# Allegro board 6089-119-RevB_08.brd (continued)
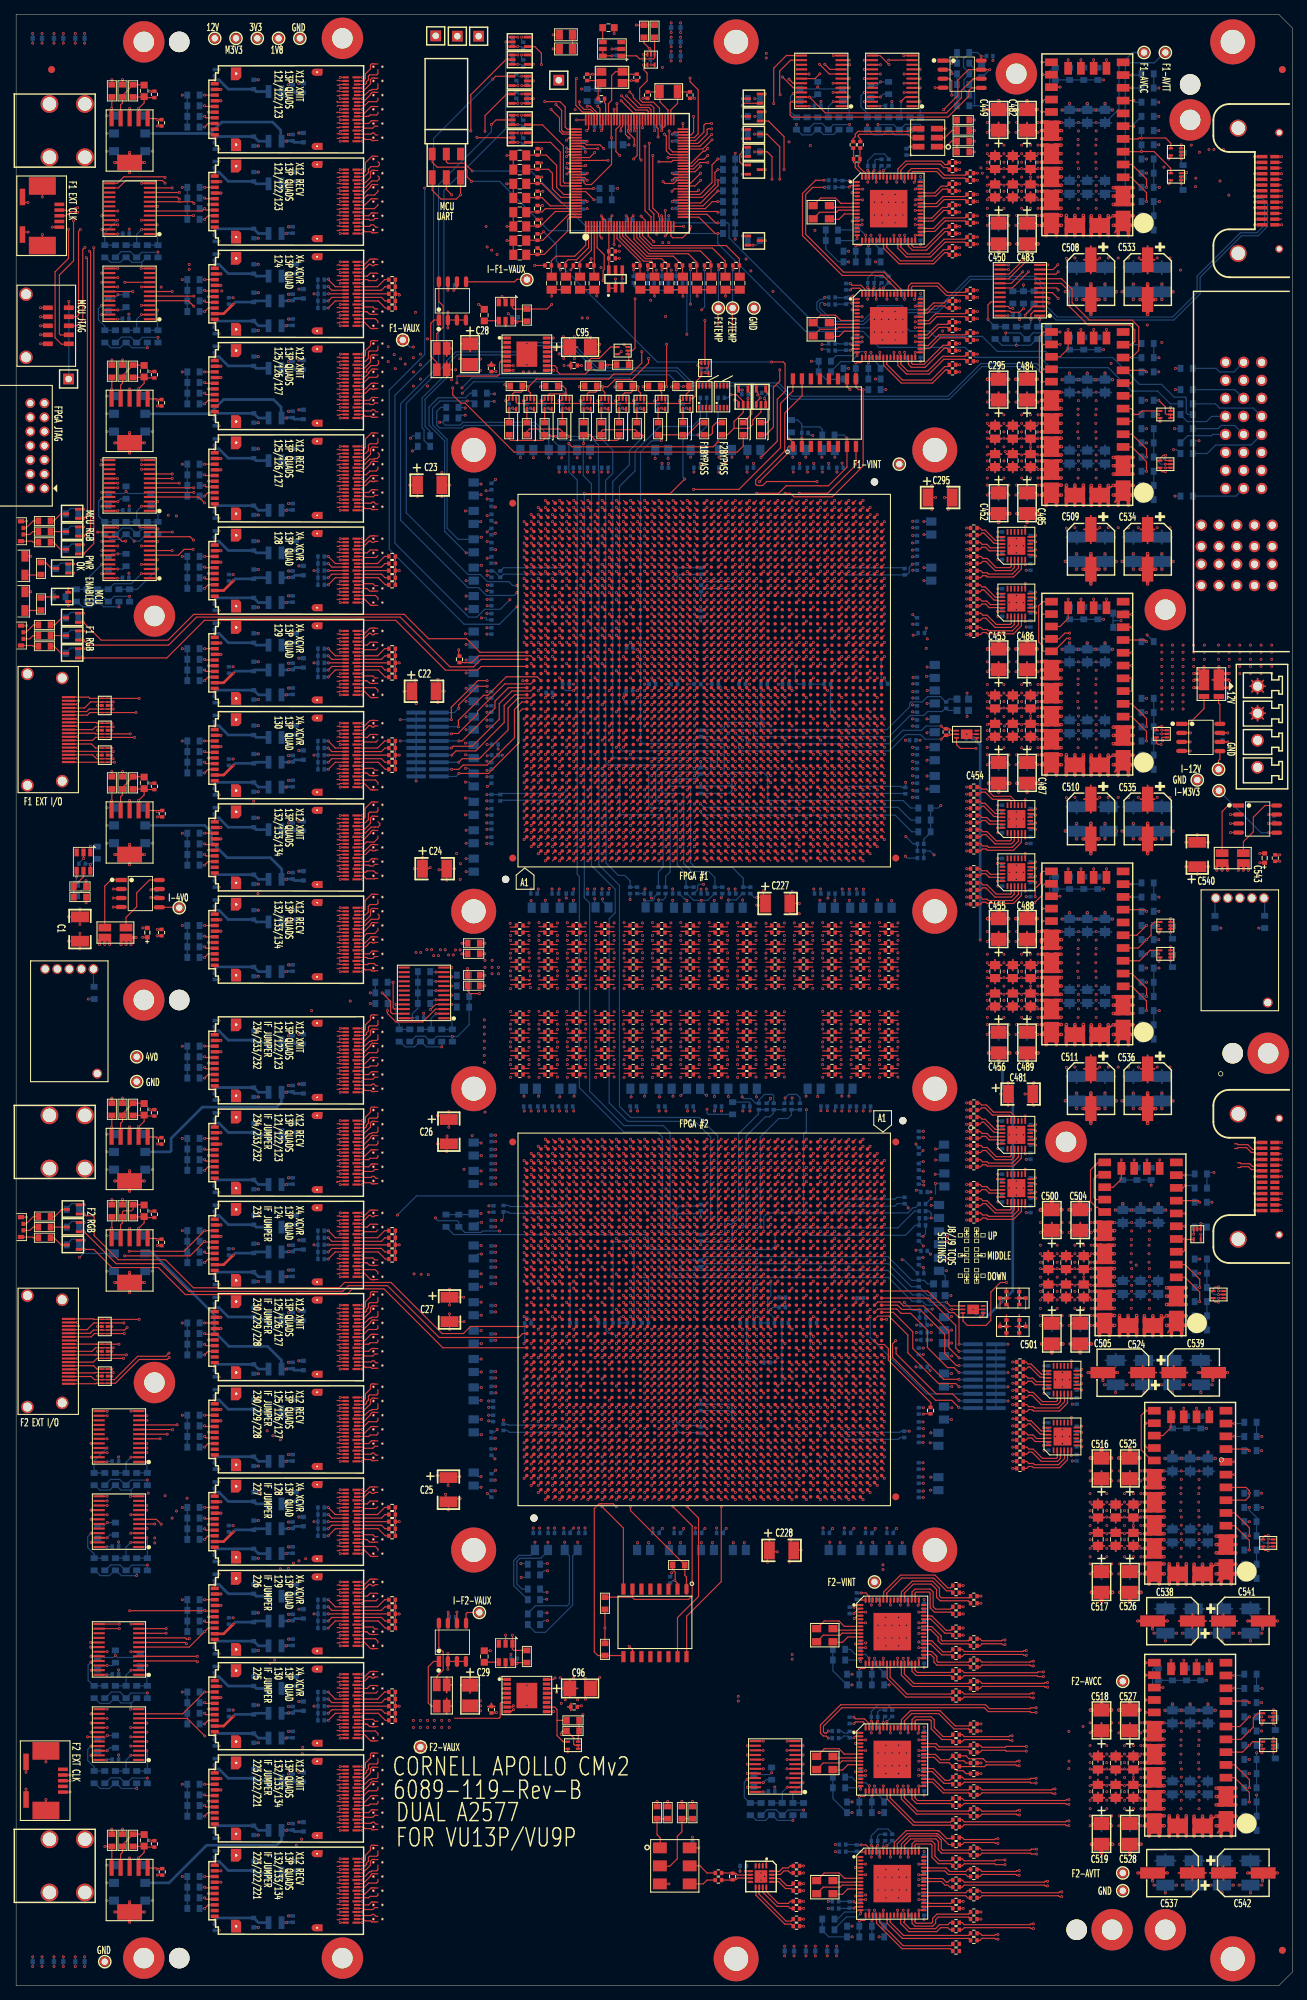
[diagram p0: board, top side]
## Routing (per net, layer and track width the routed paths; a pad name or vN(x,y) marks a point on that pad's centre or on a via; arc(x,y) is an arc through that point) (continued)
  GND5 w0.254: VA104.4 52.05,9.59 ; VA104.4 51.63,9.78 ; VA104.4 52.02,9.4 ; VA104.4 51.63,9.02 ; VA104.4 51.96,9.72 ; VA104.4 52.05,9.21 ; VA104.4 51.96,9.08 ; VA104.4 51.82,9.81 ; VA66.3 50.37,107.28 ; VA66.3 50.18,106.49 ; VA66.3 50.04,107.22 ; VA66.3 49.95,106.71 ; VA66.3 50.04,106.58 ; VA66.3 49.98,106.9 ; VA66.3 50.37,106.52 ; VA66.3 49.95,107.09 ; 50.37,28.02 VA95.3 ; VA95.3 50.04,28.08 ; VA95.3 49.95,28.59 ; VA95.3 50.04,28.72 ; VA95.3 50.37,28.78 ; VA95.3 49.95,28.21 ; VA95.3 50.18,27.99 ; VA95.3 49.98,28.4 ; 50.18,240.49 VA14.3 ; VA14.3 50.04,240.58 ; VA14.3 50.04,241.22 ; VA14.3 49.95,240.71 ; VA14.3 50.37,240.52 ; VA14.3 49.95,241.09 ; VA14.3 50.37,241.28 ; VA14.3 49.98,240.9 ; 51.63,235.52 VA15.3 ; VA15.3 51.82,236.31 ; VA15.3 51.63,236.28 ; VA15.3 52.02,235.9 ; VA15.3 52.05,236.09 ; VA15.3 51.96,235.58 ; VA15.3 52.05,235.71 ; VA15.3 51.96,236.22 ; 49.98,22.4 VA98.3 ; VA98.3 49.95,22.59 ; VA98.3 50.04,22.72 ; VA98.3 50.18,21.99 ; VA98.3 50.04,22.08 ; VA98.3 49.95,22.21 ; VA98.3 50.37,22.78 ; VA98.3 50.37,22.02 ; VA102.4 52.05,13.59 ; VA102.4 51.96,13.72 ; VA102.4 52.02,13.4 ; VA102.4 51.82,13.81 ; VA102.4 52.05,13.21 ; VA102.4 51.63,13.02 ; VA102.4 51.96,13.08 ; VA102.4 51.63,13.78 ; 50.04,266.72 VA3.3 ; VA3.3 50.37,266.02 ; VA3.3 49.95,266.21 ; VA3.3 49.98,266.4 ; VA3.3 50.04,266.08 ; VA3.3 50.37,266.78 ; VA3.3 50.18,265.99 ; VA3.3 49.95,266.59 ; VA83.4 50.37,63.28 ; VA83.4 50.18,62.49 ; VA83.4 49.95,62.71 ; VA83.4 50.04,62.58 ; VA83.4 50.37,62.52 ; VA83.4 50.04,63.22 ; VA83.4 49.98,62.9 ; VA83.4 49.95,63.09 ; 50.04,84.08 VA75.3 ; VA75.3 49.98,84.4 ; VA75.3 50.37,84.02 ; VA75.3 49.95,84.21 ; VA75.3 49.95,84.59 ; VA75.3 50.04,84.72 ; VA75.3 50.18,83.99 ; VA75.3 50.37,84.78 ; 50.04,190.58 VA33.3 ; VA33.3 50.18,190.49 ; VA33.3 49.95,190.71 ; VA33.3 49.98,190.9 ; VA33.3 49.95,191.09 ; VA33.3 50.04,191.22 ; VA33.3 50.37,190.52 ; VA33.3 50.37,191.28 ; VA56.4 51.82,130.81 ; VA56.4 51.63,130.78 ; VA56.4 51.63,130.02 ; VA56.4 52.05,130.21 ; VA56.4 51.96,130.72 ; VA56.4 52.02,130.4 ; VA56.4 51.96,130.08 ; VA56.4 52.05,130.59 ; J6.23 2.66,97.25 ; J6.23 2.64,97.7 ; J6.23 2.4,96.44 ; J6.23 2.05,98.29 ; J6.23 1.6,98.32 ; J6.23 2.4,98.05 ; J6.23 1.15,96.2 ; J6.23 1.6,96.18 ; VA96.4 52.02,26.4 ; VA96.4 52.05,26.59 ; VA96.4 52.05,26.21 ; VA96.4 51.63,26.78 ; VA96.4 51.96,26.08 ; VA96.4 51.82,26.81 ; VA96.4 51.63,26.02 ; VA96.4 51.96,26.72 ; VA23.3 50.37,218.78 ; VA23.3 49.98,218.4 ; VA23.3 50.37,218.02 ; VA23.3 49.95,218.59 ; VA23.3 50.04,218.08 ; VA23.3 50.18,217.99 ; VA23.3 50.04,218.72 ; VA23.3 49.95,218.21 ; 51.63,223.02 VA21.4 ; VA21.4 51.96,223.72 ; VA21.4 51.82,223.81 ; VA21.4 52.05,223.59 ; VA21.4 52.02,223.4 ; VA21.4 52.05,223.21 ; VA21.4 51.96,223.08 ; VA21.4 51.63,223.78 ; 49.98,158.4 VA45.3 ; VA45.3 50.04,158.08 ; VA45.3 49.95,158.21 ; VA45.3 50.37,158.02 ; VA45.3 49.95,158.59 ; VA45.3 50.04,158.72 ; VA45.3 50.37,158.78 ; VA45.3 50.18,157.99 ; VA37.4 52.05,178.09 ; VA37.4 51.82,178.31 ; VA37.4 51.96,177.58 ; VA37.4 51.63,177.52 ; VA37.4 52.05,177.71 ; VA37.4 51.63,178.28 ; VA37.4 51.96,178.22 ; VA37.4 52.02,177.9 ; 50.04,41.58 VA90.3 ; VA90.3 50.37,41.52 ; VA90.3 50.18,41.49 ; VA90.3 49.95,41.71 ; VA90.3 50.37,42.28 ; VA90.3 50.04,42.22 ; VA90.3 49.98,41.9 ; VA90.3 49.95,42.09 ; VA40.3 52.02,168.9 ; VA40.3 52.05,168.71 ; VA40.3 51.96,169.22 ; VA40.3 52.05,169.09 ; VA40.3 51.96,168.58 ; VA40.3 51.63,168.52 ; VA40.3 51.82,169.31 ; VA40.3 51.63,169.28 ; VA85.4 52.02,56.9 ; VA85.4 52.05,56.71 ; VA85.4 51.96,57.22 ; VA85.4 52.05,57.09 ; VA85.4 51.82,57.31 ; VA85.4 51.63,56.52 ; VA85.4 51.63,57.28 ; VA85.4 51.96,56.58 ; 49.98,166.4 VA41.3 ; VA41.3 49.95,166.59 ; VA41.3 49.95,166.21 ; VA41.3 50.04,166.08 ; VA41.3 50.04,166.72 ; VA41.3 50.18,165.99 ; VA41.3 50.37,166.02 ; VA41.3 50.37,166.78 ; VA60.4 51.82,121.81 ; VA60.4 51.96,121.08 ; VA60.4 52.05,121.59 ; VA60.4 52.05,121.21 ; VA60.4 52.02,121.4 ; VA60.4 51.63,121.78 ; VA60.4 51.96,121.72 ; VA60.4 51.63,121.02 ; 50.37,54.52 VA86.3 ; VA86.3 49.98,54.9 ; VA86.3 49.95,54.71 ; VA86.3 49.95,55.09 ; VA86.3 50.18,54.49 ; VA86.3 50.37,55.28 ; VA86.3 50.04,54.58 ; VA86.3 50.04,55.22 ; 50.04,249.72 VA11.3 ; VA11.3 50.04,249.08 ; VA11.3 49.95,249.21 ; VA11.3 49.98,249.4 ; VA11.3 49.95,249.59 ; VA11.3 50.18,248.99 ; VA11.3 50.37,249.78 ; VA11.3 50.37,249.02 ; 50.18,25.99 VA96.3 ; VA96.3 49.98,26.4 ; VA96.3 50.37,26.78 ; VA96.3 50.04,26.08 ; VA96.3 49.95,26.21 ; VA96.3 49.95,26.59 ; VA96.3 50.37,26.02 ; VA96.3 50.04,26.72 ; VA63.4 51.96,115.72 ; VA63.4 52.05,115.21 ; VA63.4 51.63,115.02 ; VA63.4 51.96,115.08 ; VA63.4 51.63,115.78 ; VA63.4 52.05,115.59 ; VA63.4 52.02,115.4 ; VA63.4 51.82,115.81 ; VA81.4 51.82,70.31 ; VA81.4 52.05,69.71 ; VA81.4 51.96,70.22 ; VA81.4 52.05,70.09 ; VA81.4 51.96,69.58 ; VA81.4 51.63,69.52 ; VA81.4 52.02,69.9 ; VA81.4 51.63,70.28 ; VA48.4 52.05,151.59 ; VA48.4 51.63,151.78 ; VA48.4 51.96,151.72 ; VA48.4 52.05,151.21 ; VA48.4 52.02,151.4 ; VA48.4 51.82,151.81 ; VA48.4 51.63,151.02 ; VA48.4 51.96,151.08 ; VA59.4 51.63,123.78 ; VA59.4 51.96,123.08 ; VA59.4 51.82,123.81 ; VA59.4 52.02,123.4 ; VA59.4 52.05,123.59 ; VA59.4 51.96,123.72 ; VA59.4 52.05,123.21 ; VA59.4 51.63,123.02 ; VA99.4 51.63,19.78 ; VA99.4 52.05,19.21 ; VA99.4 52.05,19.59 ; VA99.4 51.96,19.72 ; VA99.4 51.96,19.08 ; VA99.4 51.63,19.02 ; VA99.4 52.02,19.4 ; VA99.4 51.82,19.81 ; 50.18,177.49 VA37.3 ; VA37.3 49.95,177.71 ; VA37.3 50.37,177.52 ; VA37.3 50.37,178.28 ; VA37.3 50.04,177.58 ; VA37.3 49.98,177.9 ; VA37.3 49.95,178.09 ; VA37.3 50.04,178.22 ; VA5.4 52.05,262.21 ; VA5.4 51.63,262.78 ; VA5.4 52.05,262.59 ; VA5.4 51.82,262.81 ; VA5.4 51.96,262.08 ; VA5.4 52.02,262.4 ; VA5.4 51.63,262.02 ; VA5.4 51.96,262.72 ; J5.20 2.4,168.35 ; J5.20 2.66,169.15 ; J5.20 1.15,168.11 ; J5.20 2.64,169.6 ; J5.20 1.6,170.22 ; J5.20 2.05,170.2 ; J5.20 2.4,169.96 ; J5.20 1.6,168.08 ; VA13.4 51.63,243.28 ; VA13.4 52.02,242.9 ; VA13.4 52.05,243.09 ; VA13.4 51.96,243.22 ; VA13.4 51.96,242.58 ; VA13.4 51.82,243.31 ; VA13.4 51.63,242.52 ; VA13.4 52.05,242.71 ; VA4.4 52.05,264.59 ; VA4.4 51.63,264.02 ; VA4.4 51.96,264.08 ; VA4.4 51.63,264.78 ; VA4.4 52.05,264.21 ; VA4.4 52.02,264.4 ; VA4.4 51.82,264.81 ; VA4.4 51.96,264.72 ; 50.18,261.99 VA5.3 ; VA5.3 49.98,262.4 ; VA5.3 50.37,262.02 ; VA5.3 50.04,262.72 ; VA5.3 50.04,262.08 ; VA5.3 50.37,262.78 ; VA5.3 49.95,262.21 ; VA5.3 49.95,262.59 ; 49.95,168.71 VA40.4 ; VA40.4 50.18,168.49 ; VA40.4 50.37,169.28 ; VA40.4 50.37,168.52 ; VA40.4 50.04,169.22 ; VA40.4 50.04,168.58 ; VA40.4 49.95,169.09 ; VA40.4 49.98,168.9 ; VA90.4 52.05,41.71 ; VA90.4 51.63,41.52 ; VA90.4 52.05,42.09 ; VA90.4 51.82,42.31 ; VA90.4 52.02,41.9 ; VA90.4 51.96,41.58 ; VA90.4 51.96,42.22 ; VA90.4 51.63,42.28 ; 50.18,125.99 VA58.3 ; VA58.3 50.04,126.72 ; VA58.3 49.95,126.59 ; VA58.3 50.37,126.78 ; VA58.3 50.37,126.02 ; VA58.3 49.95,126.21 ; VA58.3 50.04,126.08 ; VA58.3 49.98,126.4 ; VA98.4 51.63,22.78 ; VA98.4 51.82,22.81 ; VA98.4 51.96,22.72 ; VA98.4 52.02,22.4 ; VA98.4 51.96,22.08 ; VA98.4 52.05,22.21 ; VA98.4 52.05,22.59 ; VA98.4 51.63,22.02 ; 49.95,214.59 VA25.3 ; VA25.3 50.04,214.08 ; VA25.3 50.18,213.99 ; VA25.3 49.98,214.4 ; VA25.3 50.37,214.78 ; VA25.3 50.04,214.72 ; VA25.3 49.95,214.21 ; VA25.3 50.37,214.02 ; VA95.4 52.05,28.59 ; VA95.4 51.96,28.08 ; VA95.4 51.63,28.02 ; VA95.4 52.02,28.4 ; VA95.4 52.05,28.21 ; VA95.4 51.63,28.78 ; VA95.4 51.82,28.81 ; VA95.4 51.96,28.72 ; VA26.4 52.05,212.21 ; VA26.4 51.63,212.78 ; VA26.4 51.82,212.81 ; VA26.4 52.05,212.59 ; VA26.4 51.63,212.02 ; VA26.4 51.96,212.72 ; VA26.4 51.96,212.08 ; VA26.4 52.02,212.4 ; 50.04,247.72 VA12.3 ; VA12.3 49.98,247.4 ; VA12.3 50.37,247.02 ; VA12.3 49.95,247.21 ; VA12.3 50.18,246.99 ; VA12.3 50.04,247.08 ; VA12.3 49.95,247.59 ; VA12.3 50.37,247.78 ; 50.04,268.08 VA2.3 ; VA2.3 50.04,268.72 ; VA2.3 49.98,268.4 ; VA2.3 50.37,268.02 ; VA2.3 49.95,268.21 ; VA2.3 49.95,268.59 ; VA2.3 50.18,267.99 ; VA2.3 50.37,268.78 ; 49.95,101.71 VA67.4 ; VA67.4 50.37,101.52 ; VA67.4 49.98,101.9 ; VA67.4 50.04,101.58 ; VA67.4 50.04,102.22 ; VA67.4 50.18,101.49 ; VA67.4 50.37,102.28 ; VA67.4 49.95,102.09 ; 156,12.52 PM21.1 ; PM21.1 156.88,13.4 ; PM21.1 155.12,13.4 ; PM21.1 156.67,14.07 ; PM21.1 156.67,12.73 ; PM21.1 155.33,12.73 ; PM21.1 155.33,14.07 ; PM21.1 156,14.28 ; VA58.4 52.05,126.59 ; VA58.4 51.96,126.72 ; VA58.4 52.05,126.21 ; VA58.4 51.63,126.78 ; VA58.4 52.02,126.4 ; VA58.4 51.96,126.08 ; VA58.4 51.63,126.02 ; VA58.4 51.82,126.81 ; VA31.3 51.63,197.28 ; VA31.3 52.05,197.09 ; VA31.3 51.96,197.22 ; VA31.3 51.63,196.52 ; VA31.3 51.96,196.58 ; VA31.3 52.05,196.71 ; VA31.3 52.02,196.9 ; VA31.3 51.82,197.31 ; VA60.3 50.37,121.78 ; VA60.3 50.04,121.08 ; VA60.3 50.04,121.72 ; VA60.3 49.98,121.4 ; VA60.3 49.95,121.21 ; VA60.3 49.95,121.59 ; VA60.3 50.37,121.02 ; VA60.3 50.18,120.99 ; 49.95,195.09 VA32.4 ; VA32.4 50.04,195.22 ; VA32.4 50.37,195.28 ; VA32.4 50.18,194.49 ; VA32.4 49.95,194.71 ; VA32.4 50.04,194.58 ; VA32.4 49.98,194.9 ; VA32.4 50.37,194.52 ; 50.18,122.99 VA59.3 ; VA59.3 50.04,123.72 ; VA59.3 49.98,123.4 ; VA59.3 49.95,123.59 ; VA59.3 49.95,123.21 ; VA59.3 50.37,123.78 ; VA59.3 50.37,123.02 ; VA59.3 50.04,123.08 ; VA6.4 51.96,260.08 ; VA6.4 52.05,260.59 ; VA6.4 51.96,260.72 ; VA6.4 51.63,260.78 ; VA6.4 51.63,260.02 ; VA6.4 51.82,260.81 ; VA6.4 52.05,260.21 ; VA6.4 52.02,260.4 ; VA73.4 51.82,89.81 ; VA73.4 51.63,89.02 ; VA73.4 51.96,89.08 ; VA73.4 52.02,89.4 ; VA73.4 52.05,89.21 ; VA73.4 51.96,89.72 ; VA73.4 52.05,89.59 ; VA73.4 51.63,89.78 ; 50.04,36.58 VA91.4 ; VA91.4 49.95,37.09 ; VA91.4 50.04,37.22 ; VA91.4 49.98,36.9 ; VA91.4 50.37,36.52 ; VA91.4 49.95,36.71 ; VA91.4 50.37,37.28 ; VA91.4 50.18,36.49 ; 50.04,32.08 VA93.3 ; VA93.3 50.37,32.78 ; VA93.3 49.95,32.59 ; VA93.3 50.37,32.02 ; VA93.3 50.04,32.72 ; VA93.3 50.18,31.99 ; VA93.3 49.98,32.4 ; VA93.3 49.95,32.21 ; VA32.3 51.96,194.58 ; VA32.3 51.96,195.22 ; VA32.3 52.05,194.71 ; VA32.3 52.05,195.09 ; VA32.3 52.02,194.9 ; VA32.3 51.82,195.31 ; VA32.3 51.63,195.28 ; VA32.3 51.63,194.52 ; VA24.4 52.05,216.21 ; VA24.4 52.05,216.59 ; VA24.4 52.02,216.4 ; VA24.4 51.82,216.81 ; VA24.4 51.63,216.78 ; VA24.4 51.96,216.08 ; VA24.4 51.96,216.72 ; VA24.4 51.63,216.02 ; VA70.4 52.05,95.21 ; VA70.4 51.96,95.72 ; VA70.4 52.05,95.59 ; VA70.4 51.63,95.78 ; VA70.4 51.96,95.08 ; VA70.4 51.82,95.81 ; VA70.4 52.02,95.4 ; VA70.4 51.63,95.02 ; 50.04,17.72 VA100.3 ; VA100.3 50.37,17.02 ; VA100.3 49.95,17.21 ; VA100.3 50.18,16.99 ; VA100.3 50.37,17.78 ; VA100.3 49.98,17.4 ; VA100.3 50.04,17.08 ; VA100.3 49.95,17.59 ; VA97.4 51.96,24.72 ; VA97.4 52.05,24.59 ; VA97.4 51.63,24.78 ; VA97.4 51.82,24.81 ; VA97.4 52.05,24.21 ; VA97.4 51.63,24.02 ; VA97.4 52.02,24.4 ; VA97.4 51.96,24.08 ; 49.95,183.71 VA35.4 ; VA35.4 50.37,183.52 ; VA35.4 49.95,184.09 ; VA35.4 50.04,183.58 ; VA35.4 50.37,184.28 ; VA35.4 49.98,183.9 ; VA35.4 50.04,184.22 ; VA35.4 50.18,183.49 ; 50.37,251.02 VA10.3 ; VA10.3 50.04,251.72 ; VA10.3 50.37,251.78 ; VA10.3 49.95,251.59 ; VA10.3 49.95,251.21 ; VA10.3 49.98,251.4 ; VA10.3 50.18,250.99 ; VA10.3 50.04,251.08 ; VA75.4 52.05,84.21 ; VA75.4 52.05,84.59 ; VA75.4 51.96,84.72 ; VA75.4 51.63,84.02 ; VA75.4 51.96,84.08 ; VA75.4 51.82,84.81 ; VA75.4 52.02,84.4 ; VA75.4 51.63,84.78 ; 5.43,169.74 J5.21 ; J5.21 6.5,170.8 ; J5.21 5.69,170.54 ; J5.21 7.31,168.93 ; J5.21 7.31,170.54 ; J5.21 5.69,168.93 ; J5.21 7.57,169.74 ; J5.21 6.5,168.67 ; VA89.3 50.37,44.28 ; VA89.3 50.37,43.52 ; VA89.3 50.04,43.58 ; VA89.3 49.95,44.09 ; VA89.3 49.95,43.71 ; VA89.3 49.98,43.9 ; VA89.3 50.18,43.49 ; VA89.3 50.04,44.22 ; VA33.4 52.05,191.09 ; VA33.4 52.05,190.71 ; VA33.4 52.02,190.9 ; VA33.4 51.63,190.52 ; VA33.4 51.82,191.31 ; VA33.4 51.96,190.58 ; VA33.4 51.63,191.28 ; VA33.4 51.96,191.22 ; VA69.4 52.05,97.59 ; VA69.4 51.82,97.81 ; VA69.4 51.63,97.02 ; VA69.4 52.05,97.21 ; VA69.4 51.63,97.78 ; VA69.4 51.96,97.72 ; VA69.4 52.02,97.4 ; VA69.4 51.96,97.08 ; 49.95,132.21 VA55.3 ; VA55.3 50.04,132.72 ; VA55.3 50.37,132.78 ; VA55.3 50.37,132.02 ; VA55.3 49.98,132.4 ; VA55.3 49.95,132.59 ; VA55.3 50.04,132.08 ; VA55.3 50.18,131.99 ; VA29.4 52.05,204.09 ; VA29.4 51.63,203.52 ; VA29.4 51.96,204.22 ; VA29.4 52.05,203.71 ; VA29.4 51.96,203.58 ; VA29.4 51.63,204.28 ; VA29.4 51.82,204.31 ; VA29.4 52.02,203.9 ; VA27.4 52.05,210.21 ; VA27.4 51.63,210.02 ; VA27.4 51.96,210.08 ; VA27.4 51.82,210.81 ; VA27.4 52.02,210.4 ; VA27.4 52.05,210.59 ; VA27.4 51.96,210.72 ; VA27.4 51.63,210.78 ; VA46.4 52.05,156.21 ; VA46.4 52.02,156.4 ; VA46.4 52.05,156.59 ; VA46.4 51.96,156.08 ; VA46.4 51.96,156.72 ; VA46.4 51.63,156.78 ; VA46.4 51.82,156.81 ; VA46.4 51.63,156.02 ; VA12.4 51.96,247.08 ; VA12.4 51.82,247.81 ; VA12.4 51.63,247.78 ; VA12.4 51.63,247.02 ; VA12.4 52.05,247.21 ; VA12.4 51.96,247.72 ; VA12.4 52.05,247.59 ; VA12.4 52.02,247.4 ; VA9.4 52.02,253.4 ; VA9.4 52.05,253.21 ; VA9.4 51.96,253.72 ; VA9.4 52.05,253.59 ; VA9.4 51.96,253.08 ; VA9.4 51.63,253.78 ; VA9.4 51.63,253.02 ; VA9.4 51.82,253.81 ; VA87.3 51.96,49.58 ; VA87.3 51.63,50.28 ; VA87.3 51.82,50.31 ; VA87.3 52.02,49.9 ; VA87.3 51.63,49.52 ; VA87.3 52.05,50.09 ; VA87.3 51.96,50.22 ; VA87.3 52.05,49.71 ; VA10.4 52.02,251.4 ; VA10.4 51.96,251.08 ; VA10.4 52.05,251.21 ; VA10.4 52.05,251.59 ; VA10.4 51.82,251.81 ; VA10.4 51.96,251.72 ; VA10.4 51.63,251.02 ; VA10.4 51.63,251.78 ; 49.98,91.4 VA72.3 ; VA72.3 50.37,91.02 ; VA72.3 49.95,91.21 ; VA72.3 49.95,91.59 ; VA72.3 50.37,91.78 ; VA72.3 50.04,91.08 ; VA72.3 50.18,90.99 ; VA72.3 50.04,91.72 ; 50.04,153.72 VA47.3 ; VA47.3 49.95,153.59 ; VA47.3 50.18,152.99 ; VA47.3 50.37,153.78 ; VA47.3 50.37,153.02 ; VA47.3 49.95,153.21 ; VA47.3 49.98,153.4 ; VA47.3 50.04,153.08 ; 50.18,263.99 VA4.3 ; VA4.3 50.04,264.72 ; VA4.3 50.37,264.78 ; VA4.3 49.98,264.4 ; VA4.3 49.95,264.59 ; VA4.3 50.04,264.08 ; VA4.3 49.95,264.21 ; VA4.3 50.37,264.02 ; 49.98,13.4 VA102.3 ; VA102.3 50.04,13.08 ; VA102.3 50.37,13.78 ; VA102.3 50.18,12.99 ; VA102.3 49.95,13.59 ; VA102.3 50.04,13.72 ; VA102.3 49.95,13.21 ; VA102.3 50.37,13.02 ; 49.95,97.59 VA69.3 ; VA69.3 50.37,97.78 ; VA69.3 50.18,96.99 ; VA69.3 50.04,97.72 ; VA69.3 50.04,97.08 ; VA69.3 50.37,97.02 ; VA69.3 49.98,97.4 ; VA69.3 49.95,97.21 ; VA61.4 52.05,119.21 ; VA61.4 51.82,119.81 ; VA61.4 52.05,119.59 ; VA61.4 52.02,119.4 ; VA61.4 51.96,119.72 ; VA61.4 51.63,119.02 ; VA61.4 51.96,119.08 ; VA61.4 51.63,119.78 ; 49.95,203.71 VA29.3 ; VA29.3 49.98,203.9 ; VA29.3 50.04,203.58 ; VA29.3 49.95,204.09 ; VA29.3 50.37,204.28 ; VA29.3 50.37,203.52 ; VA29.3 50.04,204.22 ; VA29.3 50.18,203.49 ; VA67.3 51.63,102.28 ; VA67.3 52.05,102.09 ; VA67.3 51.96,102.22 ; VA67.3 52.02,101.9 ; VA67.3 51.82,102.31 ; VA67.3 51.96,101.58 ; VA67.3 52.05,101.71 ; VA67.3 51.63,101.52 ; 51.63,229.02 VA18.4 ; VA18.4 51.96,229.72 ; VA18.4 51.96,229.08 ; VA18.4 52.05,229.21 ; VA18.4 52.02,229.4 ; VA18.4 52.05,229.59 ; VA18.4 51.82,229.81 ; VA18.4 51.63,229.78 ; 50.37,108.52 VA65.3 ; VA65.3 50.04,108.58 ; VA65.3 50.18,108.49 ; VA65.3 50.37,109.28 ; VA65.3 49.95,109.09 ; VA65.3 50.04,109.22 ; VA65.3 49.98,108.9 ; VA65.3 49.95,108.71 ; VA62.4 51.96,117.08 ; VA62.4 51.96,117.72 ; VA62.4 51.63,117.78 ; VA62.4 52.05,117.21 ; VA62.4 51.82,117.81 ; VA62.4 51.63,117.02 ; VA62.4 52.02,117.4 ; VA62.4 52.05,117.59 ; 50.37,233.52 VA16.4 ; VA16.4 50.18,233.49 ; VA16.4 49.95,234.09 ; VA16.4 50.04,234.22 ; VA16.4 49.95,233.71 ; VA16.4 50.37,234.28 ; VA16.4 49.98,233.9 ; VA16.4 50.04,233.58 ; 50.37,149.02 VA49.3 ; VA49.3 49.98,149.4 ; VA49.3 50.18,148.99 ; VA49.3 49.95,149.59 ; VA49.3 50.04,149.72 ; VA49.3 49.95,149.21 ; VA49.3 50.37,149.78 ; VA49.3 50.04,149.08 ; VA50.4 52.05,147.21 ; VA50.4 51.63,147.02 ; VA50.4 52.05,147.59 ; VA50.4 52.02,147.4 ; VA50.4 51.63,147.78 ; VA50.4 51.96,147.08 ; VA50.4 51.82,147.81 ; VA50.4 51.96,147.72 ; 50.04,182.22 VA36.4 ; VA36.4 49.98,181.9 ; VA36.4 50.04,181.58 ; VA36.4 50.37,181.52 ; VA36.4 49.95,182.09 ; VA36.4 50.18,181.49 ; VA36.4 49.95,181.71 ; VA36.4 50.37,182.28 ; VA100.4 51.96,17.08 ; VA100.4 51.63,17.02 ; VA100.4 52.02,17.4 ; VA100.4 51.82,17.81 ; VA100.4 52.05,17.59 ; VA100.4 51.63,17.78 ; VA100.4 52.05,17.21 ; VA100.4 51.96,17.72 ; VA66.4 51.96,107.22 ; VA66.4 51.63,107.28 ; VA66.4 51.96,106.58 ; VA66.4 52.05,106.71 ; VA66.4 51.82,107.31 ; VA66.4 52.02,106.9 ; VA66.4 51.63,106.52 ; VA66.4 52.05,107.09 ; 49.98,164.4 VA42.3 ; VA42.3 49.95,164.21 ; VA42.3 49.95,164.59 ; VA42.3 50.37,164.78 ; VA42.3 50.04,164.72 ; VA42.3 50.18,163.99 ; VA42.3 50.04,164.08 ; VA42.3 50.37,164.02 ; 49.95,100.09 VA68.4 ; VA68.4 50.04,100.22 ; VA68.4 50.18,99.49 ; VA68.4 49.98,99.9 ; VA68.4 50.37,99.52 ; VA68.4 50.37,100.28 ; VA68.4 50.04,99.58 ; VA68.4 49.95,99.71 ; 50.37,82.02 VA76.3 ; VA76.3 50.37,82.78 ; VA76.3 50.18,81.99 ; VA76.3 50.04,82.72 ; VA76.3 49.95,82.59 ; VA76.3 50.04,82.08 ; VA76.3 49.95,82.21 ; VA76.3 49.98,82.4 ; 49.98,119.4 VA61.3 ; VA61.3 50.04,119.08 ; VA61.3 50.37,119.78 ; VA61.3 49.95,119.21 ; VA61.3 50.37,119.02 ; VA61.3 50.04,119.72 ; VA61.3 49.95,119.59 ; VA61.3 50.18,118.99 ; 50.04,196.58 VA31.4 ; VA31.4 50.18,196.49 ; VA31.4 50.04,197.22 ; VA31.4 50.37,197.28 ; VA31.4 50.37,196.52 ; VA31.4 49.95,196.71 ; VA31.4 49.95,197.09 ; VA31.4 49.98,196.9 ; 49.95,162.59 VA43.3 ; VA43.3 50.18,161.99 ; VA43.3 49.95,162.21 ; VA43.3 49.98,162.4 ; VA43.3 50.04,162.72 ; VA43.3 50.37,162.78 ; VA43.3 50.04,162.08 ; VA43.3 50.37,162.02 ; 50.04,69.58 VA81.3 ; VA81.3 49.95,69.71 ; VA81.3 49.95,70.09 ; VA81.3 50.18,69.49 ; VA81.3 49.98,69.9 ; VA81.3 50.37,69.52 ; VA81.3 50.37,70.28 ; VA81.3 50.04,70.22 ; 50.18,228.99 VA18.3 ; VA18.3 50.04,229.72 ; VA18.3 50.04,229.08 ; VA18.3 49.98,229.4 ; VA18.3 50.37,229.78 ; VA18.3 49.95,229.59 ; VA18.3 50.37,229.02 ; VA18.3 49.95,229.21 ; 49.95,47.71 VA88.4 ; VA88.4 50.18,47.49 ; VA88.4 50.04,48.22 ; VA88.4 49.98,47.9 ; VA88.4 49.95,48.09 ; VA88.4 50.37,47.52 ; VA88.4 50.37,48.28 ; VA88.4 50.04,47.58 ; 50.04,30.08 VA94.3 ; VA94.3 49.95,30.59 ; VA94.3 50.18,29.99 ; VA94.3 49.95,30.21 ; VA94.3 50.37,30.02 ; VA94.3 50.04,30.72 ; VA94.3 49.98,30.4 ; VA94.3 50.37,30.78 ; VA17.4 51.82,231.81 ; VA17.4 52.05,231.59 ; VA17.4 52.02,231.4 ; VA17.4 52.05,231.21 ; VA17.4 51.63,231.02 ; VA17.4 51.63,231.78 ; VA17.4 51.96,231.08 ; VA17.4 51.96,231.72 ; VA44.4 52.05,160.21 ; VA44.4 52.02,160.4 ; VA44.4 51.96,160.08 ; VA44.4 51.63,160.78 ; VA44.4 52.05,160.59 ; VA44.4 51.63,160.02 ; VA44.4 51.96,160.72 ; VA44.4 51.82,160.81 ; VA64.4 51.96,113.72 ; VA64.4 51.63,113.02 ; VA64.4 52.05,113.59 ; VA64.4 52.02,113.4 ; VA64.4 52.05,113.21 ; VA64.4 51.63,113.78 ; VA64.4 51.82,113.81 ; VA64.4 51.96,113.08 ; 50.18,49.49 VA87.4 ; VA87.4 50.04,49.58 ; VA87.4 49.95,49.71 ; VA87.4 49.98,49.9 ; VA87.4 49.95,50.09 ; VA87.4 50.37,49.52 ; VA87.4 50.37,50.28 ; VA87.4 50.04,50.22 ; 50.04,188.58 VA34.3 ; VA34.3 50.37,188.52 ; VA34.3 49.95,189.09 ; VA34.3 50.04,189.22 ; VA34.3 49.98,188.9 ; VA34.3 50.18,188.49 ; VA34.3 50.37,189.28 ; VA34.3 49.95,188.71 ; VA103.3 50.37,11.78 ; VA103.3 49.98,11.4 ; VA103.3 49.95,11.21 ; VA103.3 49.95,11.59 ; VA103.3 50.37,11.02 ; VA103.3 50.18,10.99 ; VA103.3 50.04,11.72 ; VA103.3 50.04,11.08 ; 50.04,19.08 VA99.3 ; VA99.3 49.98,19.4 ; VA99.3 50.37,19.78 ; VA99.3 50.04,19.72 ; VA99.3 49.95,19.59 ; VA99.3 49.95,19.21 ; VA99.3 50.18,18.99 ; VA99.3 50.37,19.02 ; 49.95,68.09 VA82.3 ; VA82.3 49.98,67.9 ; VA82.3 50.37,68.28 ; VA82.3 50.04,67.58 ; VA82.3 49.95,67.71 ; VA82.3 50.18,67.49 ; VA82.3 50.04,68.22 ; VA82.3 50.37,67.52 ; 50.04,143.72 VA52.3 ; VA52.3 49.98,143.4 ; VA52.3 50.37,143.78 ; VA52.3 50.37,143.02 ; VA52.3 50.18,142.99 ; VA52.3 49.95,143.21 ; VA52.3 50.04,143.08 ; VA52.3 49.95,143.59 ; 49.95,221.21 VA22.3 ; VA22.3 49.98,221.4 ; VA22.3 50.37,221.78 ; VA22.3 50.37,221.02 ; VA22.3 50.04,221.72 ; VA22.3 50.18,220.99 ; VA22.3 50.04,221.08 ; VA22.3 49.95,221.59 ; 51.63,15.02 VA101.4 ; VA101.4 51.96,15.08 ; VA101.4 52.05,15.21 ; VA101.4 51.63,15.78 ; VA101.4 52.05,15.59 ; VA101.4 52.02,15.4 ; VA101.4 51.96,15.72 ; VA101.4 51.82,15.81 ; 51.63,255.02 VA8.4 ; VA8.4 52.05,255.21 ; VA8.4 51.96,255.08 ; VA8.4 51.63,255.78 ; VA8.4 52.02,255.4 ; VA8.4 52.05,255.59 ; VA8.4 51.96,255.72 ; VA8.4 51.82,255.81 ; VA51.4 52.05,145.59 ; VA51.4 52.05,145.21 ; VA51.4 51.63,145.78 ; VA51.4 51.96,145.72 ; VA51.4 51.63,145.02 